# KiCad board NoU2-panelized2.kicad_pcb (continued)
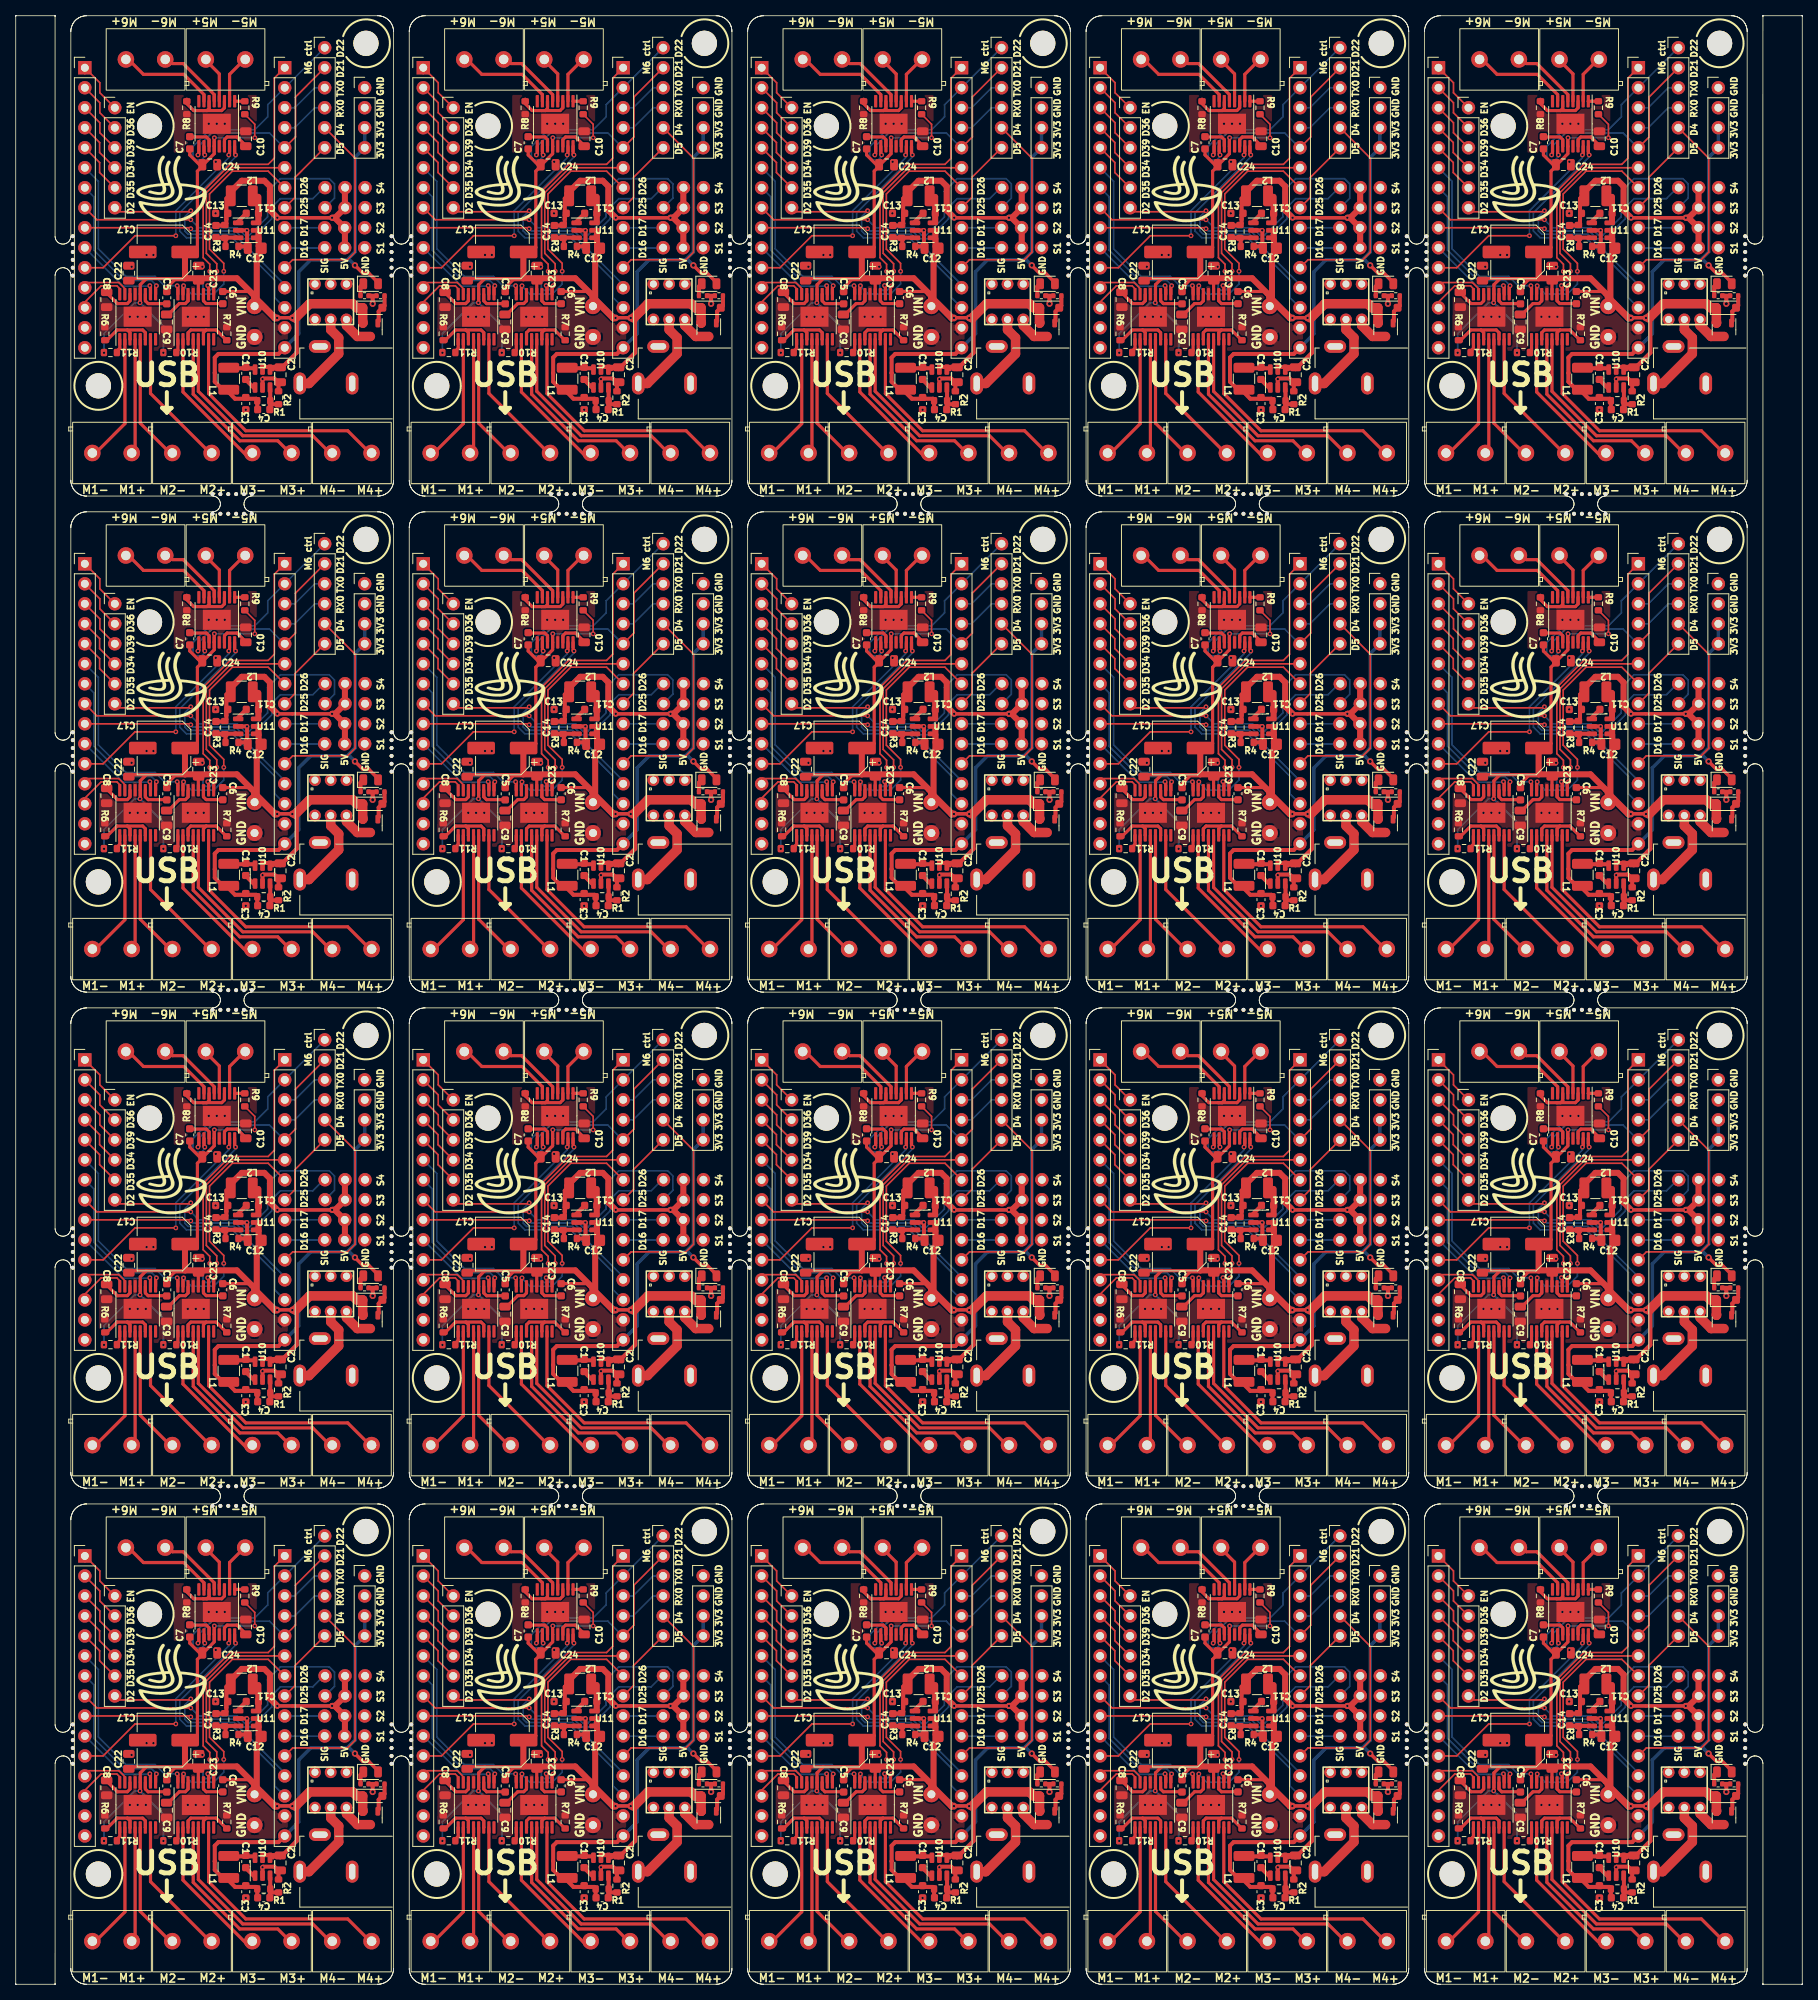
[diagram p0: board, top side]
## Nets (continued)
Board_10-Net-(Q1-D): Q1#7.3 U4#12.6
Board_10-Net-(U1-AISEN): R6#15.2 U1#18.3 U1#18.6
Board_10-Net-(U1-nSLEEP): R11#4.1 U1#18.1
Board_10-Net-(U1-VCP): C5#12.2 U1#18.11
Board_10-Net-(U1-VINT): C8#16.1 U1#18.14
Board_10-Net-(U2-AISEN): R8#14.2 U2#14.3 U2#14.6
Board_10-Net-(U2-nSLEEP): R9#10.1 U2#14.1
Board_10-Net-(U2-VCP): C7#3.2 U2#14.11
Board_10-Net-(U2-VINT): C10#20.1 U2#14.14
Board_10-Net-(U3-AISEN): R7#19.2 U3#6.3 U3#6.6
Board_10-Net-(U3-nSLEEP): R10#8.1 U3#6.1
Board_10-Net-(U3-VCP): C6#16.2 U3#6.11
Board_10-Net-(U3-VINT): C9#9.1 U3#6.14
Board_10-Net-(U10-BS): C1#15.2 U10#15.1
Board_10-Net-(U10-FB): C4#5.1 R1#11.2 R2#20.1 U10#15.3
Board_10-Net-(U10-LX): C1#15.1 L1#6.1 U10#15.6
Board_10-Net-(U11-BS): C11#10.2 U11#4.1
Board_10-Net-(U11-FB): C14#11.1 R3#3.2 R4#17.1 U11#4.3
Board_10-Net-(U11-LX): C11#10.1 L2#6.1 U11#4.6
Board_10-RX0: J1.4 J5#20.4
Board_10-SRV1: J5#20.10 U18#20.4
Board_10-SRV2: J5#20.9 U18#20.3
Board_10-SRV3: J2#19.8 U17#11.4
Board_10-SRV4: J2#19.9 U17#11.3
Board_10-TX0: J1.3 J5#20.3
Board_10-unconnected-(U1-nFAULT-Pad8): U1#18.8
Board_10-unconnected-(U2-nFAULT-Pad8): U2#14.8
Board_10-unconnected-(U3-nFAULT-Pad8): U3#6.8
Board_10-unconnected-(U4-Pad1): U4#12.1
Board_10-unconnected-(U4-Pad2): U4#12.2
Board_10-unconnected-(U4-Pad3): U4#12.3
Board_10-unconnected-(U4-Pad4): U4#12.4
Board_10-VIN: C2#20.2 C5#12.1 C6#16.1 C7#3.1 C12#10.2 C17.1 C22#2.1 C23#5.1 C24#16.1 D3#13.1 J14#15.1 Q1#7.2 R9#10.2 R10#8.2 R11#4.2 U1#18.12 U2#14.12 U3#6.12 U10#15.4 U10#15.5 U11#4.4 U11#4.5
Board_11-3V3: C3#19.2 C4#14.2 D1#16.2 J3#12.3 J3#12.4 J5#4.15 L1#8.2 R1#13.1
Board_11-5V: C13#8.2 C14#8.2 L2#10.2 R3#11.1 U17#2.1 U18.1
Board_11-/Sheet6057E9B8/D34: J2#20.4 J4#19.4
Board_11-/Sheet6057E9B8/D35: J2#20.5 J4#19.5
Board_11-/Sheet6057E9B8/D36: J2#20.2 J4#19.2
Board_11-/Sheet6057E9B8/D39: J2#20.3 J4#19.3
Board_11-/Sheet6057E9B8/EN: J2#20.1 J4#19.1
Board_11-/Sheet6057E9B8/EVIN: J2#20.15
Board_11-D2: J4#19.6 J5#4.12
Board_11-D4: J1#13.5 J5#4.11
Board_11-D5: J1#13.6 J5#4.8
Board_11-GND: C2#4.1 C3#19.1 C8#17.2 C9#10.2 C10#6.2 C12#16.1 C13#8.1 C17#11.2 C22#17.2 C23#3.2 C24#19.2 J2#20.14 J3#12.1 J3#12.2 J5#4.14 J10#2.2 J13#5.1 R2#6.2 R4#18.2 R5#13.2 R6#8.1 R7#20.1 R8#11.1 R14#5.2 U1#17.13 U1#17.17 U2#5.13 U2#5.17 U3#7.13 U3#7.17 U10#12.2 U11#18.2 U17#2.2 U18.2
Board_11-M1A: J2#20.13 U1#17.16
Board_11-M1B: J2#20.12 U1#17.15
Board_11-M2A: J2#20.10 U1#17.10
Board_11-M2B: J2#20.7 U1#17.9
Board_11-M3A: J2#20.6 U3#7.16
Board_11-M3B: J5#4.7 U3#7.15
Board_11-M4A: J5#4.6 U3#7.10
Board_11-M4B: J5#4.1 U3#7.9
Board_11-M5A: J5#4.13 U2#5.16
Board_11-M5B: J2#20.11 U2#5.15
Board_11-M6A: J1#13.1 J5#4.2 U2#5.10
Board_11-M6B: J1#13.2 J5#4.5 U2#5.9
Board_11-Net-(D1-K): D1#16.1 R14#5.1
Board_11-Net-(D3-A): D3#3.2 Q1.1 R5#13.1
Board_11-Net-(J10-Pad1): J10#2.1 U4#5.5
Board_11-Net-(J11-Pin_1): J11#17.1 U1#17.4
Board_11-Net-(J11-Pin_2): J11#17.2 U1#17.2
Board_11-Net-(J15-Pin_1): J15#12.1 U1#17.7
Board_11-Net-(J15-Pin_2): J15#12.2 U1#17.5
Board_11-Net-(J16-Pin_1): J16#5.1 U3#7.4
Board_11-Net-(J16-Pin_2): J16#5.2 U3#7.2
Board_11-Net-(J17-Pin_1): J17#14.1 U3#7.7
Board_11-Net-(J17-Pin_2): J17#14.2 U3#7.5
Board_11-Net-(J18-Pin_1): J18#2.1 U2#5.4
Board_11-Net-(J18-Pin_2): J18#2.2 U2#5.2
Board_11-Net-(J19-Pin_1): J19#3.1 U2#5.7
Board_11-Net-(J19-Pin_2): J19#3.2 U2#5.5
Board_11-Net-(Q1-D): Q1.3 U4#5.6
Board_11-Net-(U1-AISEN): R6#8.2 U1#17.3 U1#17.6
Board_11-Net-(U1-nSLEEP): R11#9.1 U1#17.1
Board_11-Net-(U1-VCP): C5#2.2 U1#17.11
Board_11-Net-(U1-VINT): C8#17.1 U1#17.14
Board_11-Net-(U2-AISEN): R8#11.2 U2#5.3 U2#5.6
Board_11-Net-(U2-nSLEEP): R9#18.1 U2#5.1
Board_11-Net-(U2-VCP): C7#5.2 U2#5.11
Board_11-Net-(U2-VINT): C10#6.1 U2#5.14
Board_11-Net-(U3-AISEN): R7#20.2 U3#7.3 U3#7.6
Board_11-Net-(U3-nSLEEP): R10#19.1 U3#7.1
Board_11-Net-(U3-VCP): C6#14.2 U3#7.11
Board_11-Net-(U3-VINT): C9#10.1 U3#7.14
Board_11-Net-(U10-BS): C1#12.2 U10#12.1
Board_11-Net-(U10-FB): C4#14.1 R1#13.2 R2#6.1 U10#12.3
Board_11-Net-(U10-LX): C1#12.1 L1#8.1 U10#12.6
Board_11-Net-(U11-BS): C11#19.2 U11#18.1
Board_11-Net-(U11-FB): C14#8.1 R3#11.2 R4#18.1 U11#18.3
Board_11-Net-(U11-LX): C11#19.1 L2#10.1 U11#18.6
Board_11-RX0: J1#13.4 J5#4.4
Board_11-SRV1: J5#4.10 U18.4
Board_11-SRV2: J5#4.9 U18.3
Board_11-SRV3: J2#20.8 U17#2.4
Board_11-SRV4: J2#20.9 U17#2.3
Board_11-TX0: J1#13.3 J5#4.3
Board_11-unconnected-(U1-nFAULT-Pad8): U1#17.8
Board_11-unconnected-(U2-nFAULT-Pad8): U2#5.8
Board_11-unconnected-(U3-nFAULT-Pad8): U3#7.8
Board_11-unconnected-(U4-Pad1): U4#5.1
Board_11-unconnected-(U4-Pad2): U4#5.2
Board_11-unconnected-(U4-Pad3): U4#5.3
Board_11-unconnected-(U4-Pad4): U4#5.4
Board_11-VIN: C2#4.2 C5#2.1 C6#14.1 C7#5.1 C12#16.2 C17#11.1 C22#17.1 C23#3.1 C24#19.1 D3#3.1 J14#19.1 Q1.2 R9#18.2 R10#19.2 R11#9.2 U1#17.12 U2#5.12 U3#7.12 U10#12.4 U10#12.5 U11#18.4 U11#18.5
Board_12-3V3: C3.2 C4#2.2 D1#12.2 J3#10.3 J3#10.4 J5#8.15 L1#13.2 R1#12.1
Board_12-5V: C13#12.2 C14#13.2 L2#18.2 R3#10.1 U17#3.1 U18#6.1
Board_12-/Sheet6057E9B8/D34: J2#11.4 J4#11.4
Board_12-/Sheet6057E9B8/D35: J2#11.5 J4#11.5
Board_12-/Sheet6057E9B8/D36: J2#11.2 J4#11.2
Board_12-/Sheet6057E9B8/D39: J2#11.3 J4#11.3
Board_12-/Sheet6057E9B8/EN: J2#11.1 J4#11.1
Board_12-/Sheet6057E9B8/EVIN: J2#11.15
Board_12-D2: J4#11.6 J5#8.12
Board_12-D4: J1#3.5 J5#8.11
Board_12-D5: J1#3.6 J5#8.8
Board_12-GND: C2#2.1 C3.1 C8#8.2 C9#11.2 C10#2.2 C12#17.1 C13#12.1 C17#16.2 C22#19.2 C23#20.2 C24#17.2 J2#11.14 J3#10.1 J3#10.2 J5#8.14 J10.2 J13#4.1 R2#13.2 R4#3.2 R5#16.2 R6#6.1 R7#13.1 R8#18.1 R14#14.2 U1#11.13 U1#11.17 U2#15.13 U2#15.17 U3#4.13 U3#4.17 U10#2.2 U11#8.2 U17#3.2 U18#6.2
Board_12-M1A: J2#11.13 U1#11.16
Board_12-M1B: J2#11.12 U1#11.15
Board_12-M2A: J2#11.10 U1#11.10
Board_12-M2B: J2#11.7 U1#11.9
Board_12-M3A: J2#11.6 U3#4.16
Board_12-M3B: J5#8.7 U3#4.15
Board_12-M4A: J5#8.6 U3#4.10
Board_12-M4B: J5#8.1 U3#4.9
Board_12-M5A: J5#8.13 U2#15.16
Board_12-M5B: J2#11.11 U2#15.15
Board_12-M6A: J1#3.1 J5#8.2 U2#15.10
Board_12-M6B: J1#3.2 J5#8.5 U2#15.9
Board_12-Net-(D1-K): D1#12.1 R14#14.1
Board_12-Net-(D3-A): D3#5.2 Q1#16.1 R5#16.1
Board_12-Net-(J10-Pad1): J10.1 U4#7.5
Board_12-Net-(J11-Pin_1): J11#9.1 U1#11.4
Board_12-Net-(J11-Pin_2): J11#9.2 U1#11.2
Board_12-Net-(J15-Pin_1): J15#16.1 U1#11.7
Board_12-Net-(J15-Pin_2): J15#16.2 U1#11.5
Board_12-Net-(J16-Pin_1): J16#16.1 U3#4.4
Board_12-Net-(J16-Pin_2): J16#16.2 U3#4.2
Board_12-Net-(J17-Pin_1): J17#15.1 U3#4.7
Board_12-Net-(J17-Pin_2): J17#15.2 U3#4.5
Board_12-Net-(J18-Pin_1): J18#9.1 U2#15.4
Board_12-Net-(J18-Pin_2): J18#9.2 U2#15.2
Board_12-Net-(J19-Pin_1): J19#7.1 U2#15.7
Board_12-Net-(J19-Pin_2): J19#7.2 U2#15.5
Board_12-Net-(Q1-D): Q1#16.3 U4#7.6
Board_12-Net-(U1-AISEN): R6#6.2 U1#11.3 U1#11.6
Board_12-Net-(U1-nSLEEP): R11#11.1 U1#11.1
Board_12-Net-(U1-VCP): C5#7.2 U1#11.11
Board_12-Net-(U1-VINT): C8#8.1 U1#11.14
Board_12-Net-(U2-AISEN): R8#18.2 U2#15.3 U2#15.6
Board_12-Net-(U2-nSLEEP): R9#2.1 U2#15.1
Board_12-Net-(U2-VCP): C7#2.2 U2#15.11
Board_12-Net-(U2-VINT): C10#2.1 U2#15.14
Board_12-Net-(U3-AISEN): R7#13.2 U3#4.3 U3#4.6
Board_12-Net-(U3-nSLEEP): R10#20.1 U3#4.1
Board_12-Net-(U3-VCP): C6#11.2 U3#4.11
Board_12-Net-(U3-VINT): C9#11.1 U3#4.14
Board_12-Net-(U10-BS): C1#14.2 U10#2.1
Board_12-Net-(U10-FB): C4#2.1 R1#12.2 R2#13.1 U10#2.3
Board_12-Net-(U10-LX): C1#14.1 L1#13.1 U10#2.6
Board_12-Net-(U11-BS): C11#3.2 U11#8.1
Board_12-Net-(U11-FB): C14#13.1 R3#10.2 R4#3.1 U11#8.3
Board_12-Net-(U11-LX): C11#3.1 L2#18.1 U11#8.6
Board_12-RX0: J1#3.4 J5#8.4
Board_12-SRV1: J5#8.10 U18#6.4
Board_12-SRV2: J5#8.9 U18#6.3
Board_12-SRV3: J2#11.8 U17#3.4
Board_12-SRV4: J2#11.9 U17#3.3
Board_12-TX0: J1#3.3 J5#8.3
Board_12-unconnected-(U1-nFAULT-Pad8): U1#11.8
Board_12-unconnected-(U2-nFAULT-Pad8): U2#15.8
Board_12-unconnected-(U3-nFAULT-Pad8): U3#4.8
Board_12-unconnected-(U4-Pad1): U4#7.1
Board_12-unconnected-(U4-Pad2): U4#7.2
Board_12-unconnected-(U4-Pad3): U4#7.3
Board_12-unconnected-(U4-Pad4): U4#7.4
Board_12-VIN: C2#2.2 C5#7.1 C6#11.1 C7#2.1 C12#17.2 C17#16.1 C22#19.1 C23#20.1 C24#17.1 D3#5.1 J14#2.1 Q1#16.2 R9#2.2 R10#20.2 R11#11.2 U1#11.12 U2#15.12 U3#4.12 U10#2.4 U10#2.5 U11#8.4 U11#8.5
Board_13-3V3: C3#5.2 C4#9.2 D1#13.2 J3#6.3 J3#6.4 J5#17.15 L1#15.2 R1#10.1
Board_13-5V: C13#17.2 C14#15.2 L2#20.2 R3#12.1 U17#10.1 U18#19.1
Board_13-/Sheet6057E9B8/D34: J2#12.4 J4#3.4
Board_13-/Sheet6057E9B8/D35: J2#12.5 J4#3.5
Board_13-/Sheet6057E9B8/D36: J2#12.2 J4#3.2
Board_13-/Sheet6057E9B8/D39: J2#12.3 J4#3.3
Board_13-/Sheet6057E9B8/EN: J2#12.1 J4#3.1
Board_13-/Sheet6057E9B8/EVIN: J2#12.15
Board_13-D2: J4#3.6 J5#17.12
Board_13-D4: J1#16.5 J5#17.11
Board_13-D5: J1#16.6 J5#17.8
Board_13-GND: C2#13.1 C3#5.1 C8#19.2 C9#16.2 C10#13.2 C12#3.1 C13#17.1 C17#3.2 C22#20.2 C23#15.2 C24#15.2 J2#12.14 J3#6.1 J3#6.2 J5#17.14 J10#6.2 J13#14.1 R2#3.2 R4#19.2 R5#20.2 R6#17.1 R7#8.1 R8#10.1 R14#15.2 U1#6.13 U1#6.17 U2#20.13 U2#20.17 U3#8.13 U3#8.17 U10#19.2 U11#20.2 U17#10.2 U18#19.2
Board_13-M1A: J2#12.13 U1#6.16
Board_13-M1B: J2#12.12 U1#6.15
Board_13-M2A: J2#12.10 U1#6.10
Board_13-M2B: J2#12.7 U1#6.9
Board_13-M3A: J2#12.6 U3#8.16
Board_13-M3B: J5#17.7 U3#8.15
Board_13-M4A: J5#17.6 U3#8.10
Board_13-M4B: J5#17.1 U3#8.9
Board_13-M5A: J5#17.13 U2#20.16
Board_13-M5B: J2#12.11 U2#20.15
Board_13-M6A: J1#16.1 J5#17.2 U2#20.10
Board_13-M6B: J1#16.2 J5#17.5 U2#20.9
Board_13-Net-(D1-K): D1#13.1 R14#15.1
Board_13-Net-(D3-A): D3#9.2 Q1#19.1 R5#20.1
Board_13-Net-(J10-Pad1): J10#6.1 U4.5
Board_13-Net-(J11-Pin_1): J11#15.1 U1#6.4
Board_13-Net-(J11-Pin_2): J11#15.2 U1#6.2
Board_13-Net-(J15-Pin_1): J15#6.1 U1#6.7
Board_13-Net-(J15-Pin_2): J15#6.2 U1#6.5
Board_13-Net-(J16-Pin_1): J16#4.1 U3#8.4
Board_13-Net-(J16-Pin_2): J16#4.2 U3#8.2
Board_13-Net-(J17-Pin_1): J17#17.1 U3#8.7
Board_13-Net-(J17-Pin_2): J17#17.2 U3#8.5
Board_13-Net-(J18-Pin_1): J18#7.1 U2#20.4
Board_13-Net-(J18-Pin_2): J18#7.2 U2#20.2
Board_13-Net-(J19-Pin_1): J19#4.1 U2#20.7
Board_13-Net-(J19-Pin_2): J19#4.2 U2#20.5
Board_13-Net-(Q1-D): Q1#19.3 U4.6
Board_13-Net-(U1-AISEN): R6#17.2 U1#6.3 U1#6.6
Board_13-Net-(U1-nSLEEP): R11#12.1 U1#6.1
Board_13-Net-(U1-VCP): C5#15.2 U1#6.11
Board_13-Net-(U1-VINT): C8#19.1 U1#6.14
Board_13-Net-(U2-AISEN): R8#10.2 U2#20.3 U2#20.6
Board_13-Net-(U2-nSLEEP): R9#15.1 U2#20.1
Board_13-Net-(U2-VCP): C7#20.2 U2#20.11
Board_13-Net-(U2-VINT): C10#13.1 U2#20.14
Board_13-Net-(U3-AISEN): R7#8.2 U3#8.3 U3#8.6
Board_13-Net-(U3-nSLEEP): R10#9.1 U3#8.1
Board_13-Net-(U3-VCP): C6#4.2 U3#8.11
Board_13-Net-(U3-VINT): C9#16.1 U3#8.14
Board_13-Net-(U10-BS): C1#11.2 U10#19.1
Board_13-Net-(U10-FB): C4#9.1 R1#10.2 R2#3.1 U10#19.3
Board_13-Net-(U10-LX): C1#11.1 L1#15.1 U10#19.6
Board_13-Net-(U11-BS): C11.2 U11#20.1
Board_13-Net-(U11-FB): C14#15.1 R3#12.2 R4#19.1 U11#20.3
Board_13-Net-(U11-LX): C11.1 L2#20.1 U11#20.6
Board_13-RX0: J1#16.4 J5#17.4
Board_13-SRV1: J5#17.10 U18#19.4
Board_13-SRV2: J5#17.9 U18#19.3
Board_13-SRV3: J2#12.8 U17#10.4
Board_13-SRV4: J2#12.9 U17#10.3
Board_13-TX0: J1#16.3 J5#17.3
Board_13-unconnected-(U1-nFAULT-Pad8): U1#6.8
Board_13-unconnected-(U2-nFAULT-Pad8): U2#20.8
Board_13-unconnected-(U3-nFAULT-Pad8): U3#8.8
Board_13-unconnected-(U4-Pad1): U4.1
Board_13-unconnected-(U4-Pad2): U4.2
Board_13-unconnected-(U4-Pad3): U4.3
Board_13-unconnected-(U4-Pad4): U4.4
Board_13-VIN: C2#13.2 C5#15.1 C6#4.1 C7#20.1 C12#3.2 C17#3.1 C22#20.1 C23#15.1 C24#15.1 D3#9.1 J14#14.1 Q1#19.2 R9#15.2 R10#9.2 R11#12.2 U1#6.12 U2#20.12 U3#8.12 U10#19.4 U10#19.5 U11#20.4 U11#20.5
Board_14-3V3: C3#12.2 C4#7.2 D1#15.2 J3#8.3 J3#8.4 J5#19.15 L1#14.2 R1#14.1
Board_14-5V: C13#9.2 C14#14.2 L2#19.2 R3#17.1 U17#18.1 U18#9.1
Board_14-/Sheet6057E9B8/D34: J2#4.4 J4#2.4
Board_14-/Sheet6057E9B8/D35: J2#4.5 J4#2.5
Board_14-/Sheet6057E9B8/D36: J2#4.2 J4#2.2
Board_14-/Sheet6057E9B8/D39: J2#4.3 J4#2.3
Board_14-/Sheet6057E9B8/EN: J2#4.1 J4#2.1
Board_14-/Sheet6057E9B8/EVIN: J2#4.15
Board_14-D2: J4#2.6 J5#19.12
Board_14-D4: J1#17.5 J5#19.11
Board_14-D5: J1#17.6 J5#19.8
Board_14-GND: C2#15.1 C3#12.1 C8#20.2 C9#17.2 C10#5.2 C12#19.1 C13#9.1 C17#6.2 C22#18.2 C23#17.2 C24#20.2 J2#4.14 J3#8.1 J3#8.2 J5#19.14 J10#14.2 J13#15.1 R2#8.2 R4#15.2 R5#5.2 R6#7.1 R7#7.1 R8#19.1 R14#12.2 U1#16.13 U1#16.17 U2#7.13 U2#7.17 U3#16.13 U3#16.17 U10#11.2 U11#19.2 U17#18.2 U18#9.2
Board_14-M1A: J2#4.13 U1#16.16
Board_14-M1B: J2#4.12 U1#16.15
Board_14-M2A: J2#4.10 U1#16.10
Board_14-M2B: J2#4.7 U1#16.9
Board_14-M3A: J2#4.6 U3#16.16
Board_14-M3B: J5#19.7 U3#16.15
Board_14-M4A: J5#19.6 U3#16.10
Board_14-M4B: J5#19.1 U3#16.9
Board_14-M5A: J5#19.13 U2#7.16
Board_14-M5B: J2#4.11 U2#7.15
Board_14-M6A: J1#17.1 J5#19.2 U2#7.10
Board_14-M6B: J1#17.2 J5#19.5 U2#7.9
Board_14-Net-(D1-K): D1#15.1 R14#12.1
Board_14-Net-(D3-A): D3#15.2 Q1#11.1 R5#5.1
Board_14-Net-(J10-Pad1): J10#14.1 U4#16.5
Board_14-Net-(J11-Pin_1): J11#20.1 U1#16.4
Board_14-Net-(J11-Pin_2): J11#20.2 U1#16.2
Board_14-Net-(J15-Pin_1): J15#17.1 U1#16.7
Board_14-Net-(J15-Pin_2): J15#17.2 U1#16.5
Board_14-Net-(J16-Pin_1): J16#18.1 U3#16.4
Board_14-Net-(J16-Pin_2): J16#18.2 U3#16.2
Board_14-Net-(J17-Pin_1): J17#12.1 U3#16.7
Board_14-Net-(J17-Pin_2): J17#12.2 U3#16.5
Board_14-Net-(J18-Pin_1): J18.1 U2#7.4
Board_14-Net-(J18-Pin_2): J18.2 U2#7.2
Board_14-Net-(J19-Pin_1): J19#9.1 U2#7.7
Board_14-Net-(J19-Pin_2): J19#9.2 U2#7.5
Board_14-Net-(Q1-D): Q1#11.3 U4#16.6
Board_14-Net-(U1-AISEN): R6#7.2 U1#16.3 U1#16.6
Board_14-Net-(U1-nSLEEP): R11#13.1 U1#16.1
Board_14-Net-(U1-VCP): C5#10.2 U1#16.11
Board_14-Net-(U1-VINT): C8#20.1 U1#16.14
Board_14-Net-(U2-AISEN): R8#19.2 U2#7.3 U2#7.6
Board_14-Net-(U2-nSLEEP): R9#17.1 U2#7.1
Board_14-Net-(U2-VCP): C7#15.2 U2#7.11
Board_14-Net-(U2-VINT): C10#5.1 U2#7.14
Board_14-Net-(U3-AISEN): R7#7.2 U3#16.3 U3#16.6
Board_14-Net-(U3-nSLEEP): R10#5.1 U3#16.1
Board_14-Net-(U3-VCP): C6#19.2 U3#16.11
Board_14-Net-(U3-VINT): C9#17.1 U3#16.14
Board_14-Net-(U10-BS): C1#7.2 U10#11.1
Board_14-Net-(U10-FB): C4#7.1 R1#14.2 R2#8.1 U10#11.3
Board_14-Net-(U10-LX): C1#7.1 L1#14.1 U10#11.6
Board_14-Net-(U11-BS): C11#12.2 U11#19.1
Board_14-Net-(U11-FB): C14#14.1 R3#17.2 R4#15.1 U11#19.3
Board_14-Net-(U11-LX): C11#12.1 L2#19.1 U11#19.6
Board_14-RX0: J1#17.4 J5#19.4
Board_14-SRV1: J5#19.10 U18#9.4
Board_14-SRV2: J5#19.9 U18#9.3
Board_14-SRV3: J2#4.8 U17#18.4
Board_14-SRV4: J2#4.9 U17#18.3
Board_14-TX0: J1#17.3 J5#19.3
Board_14-unconnected-(U1-nFAULT-Pad8): U1#16.8
Board_14-unconnected-(U2-nFAULT-Pad8): U2#7.8
Board_14-unconnected-(U3-nFAULT-Pad8): U3#16.8
Board_14-unconnected-(U4-Pad1): U4#16.1
Board_14-unconnected-(U4-Pad2): U4#16.2
Board_14-unconnected-(U4-Pad3): U4#16.3
Board_14-unconnected-(U4-Pad4): U4#16.4
Board_14-VIN: C2#15.2 C5#10.1 C6#19.1 C7#15.1 C12#19.2 C17#6.1 C22#18.1 C23#17.1 C24#20.1 D3#15.1 J14#13.1 Q1#11.2 R9#17.2 R10#5.2 R11#13.2 U1#16.12 U2#7.12 U3#16.12 U10#11.4 U10#11.5 U11#19.4 U11#19.5
Board_15-3V3: C3#9.2 C4#6.2 D1#17.2 J3#17.3 J3#17.4 J5#13.15 L1#2.2 R1#6.1
Board_15-5V: C13#3.2 C14#12.2 L2#16.2 R3#13.1 U17#12.1 U18#11.1
Board_15-/Sheet6057E9B8/D34: J2#8.4 J4#14.4
Board_15-/Sheet6057E9B8/D35: J2#8.5 J4#14.5
Board_15-/Sheet6057E9B8/D36: J2#8.2 J4#14.2
Board_15-/Sheet6057E9B8/D39: J2#8.3 J4#14.3
Board_15-/Sheet6057E9B8/EN: J2#8.1 J4#14.1
Board_15-/Sheet6057E9B8/EVIN: J2#8.15
Board_15-D2: J4#14.6 J5#13.12
Board_15-D4: J1#18.5 J5#13.11
Board_15-D5: J1#18.6 J5#13.8
Board_15-GND: C2#3.1 C3#9.1 C8#5.2 C9.2 C10#14.2 C12#7.1 C13#3.1 C17#18.2 C22#5.2 C23#8.2 C24#13.2 J2#8.14 J3#17.1 J3#17.2 J5#13.14 J10#20.2 J13#19.1 R2#14.2 R4#8.2 R5#10.2 R6#5.1 R7#16.1 R8#6.1 R14#3.2 U1#13.13 U1#13.17 U2#6.13 U2#6.17 U3#18.13 U3#18.17 U10#4.2 U11#5.2 U17#12.2 U18#11.2
Board_15-M1A: J2#8.13 U1#13.16
Board_15-M1B: J2#8.12 U1#13.15
Board_15-M2A: J2#8.10 U1#13.10
Board_15-M2B: J2#8.7 U1#13.9
Board_15-M3A: J2#8.6 U3#18.16
Board_15-M3B: J5#13.7 U3#18.15
Board_15-M4A: J5#13.6 U3#18.10
Board_15-M4B: J5#13.1 U3#18.9
Board_15-M5A: J5#13.13 U2#6.16
Board_15-M5B: J2#8.11 U2#6.15
Board_15-M6A: J1#18.1 J5#13.2 U2#6.10
Board_15-M6B: J1#18.2 J5#13.5 U2#6.9
Board_15-Net-(D1-K): D1#17.1 R14#3.1
Board_15-Net-(D3-A): D3#12.2 Q1#20.1 R5#10.1
Board_15-Net-(J10-Pad1): J10#20.1 U4#20.5
Board_15-Net-(J11-Pin_1): J11#19.1 U1#13.4
Board_15-Net-(J11-Pin_2): J11#19.2 U1#13.2
Board_15-Net-(J15-Pin_1): J15#18.1 U1#13.7
Board_15-Net-(J15-Pin_2): J15#18.2 U1#13.5
Board_15-Net-(J16-Pin_1): J16#17.1 U3#18.4
Board_15-Net-(J16-Pin_2): J16#17.2 U3#18.2
Board_15-Net-(J17-Pin_1): J17#2.1 U3#18.7
Board_15-Net-(J17-Pin_2): J17#2.2 U3#18.5
Board_15-Net-(J18-Pin_1): J18#4.1 U2#6.4
Board_15-Net-(J18-Pin_2): J18#4.2 U2#6.2
Board_15-Net-(J19-Pin_1): J19.1 U2#6.7
Board_15-Net-(J19-Pin_2): J19.2 U2#6.5
Board_15-Net-(Q1-D): Q1#20.3 U4#20.6
Board_15-Net-(U1-AISEN): R6#5.2 U1#13.3 U1#13.6
Board_15-Net-(U1-nSLEEP): R11#3.1 U1#13.1
Board_15-Net-(U1-VCP): C5#3.2 U1#13.11
Board_15-Net-(U1-VINT): C8#5.1 U1#13.14
Board_15-Net-(U2-AISEN): R8#6.2 U2#6.3 U2#6.6
Board_15-Net-(U2-nSLEEP): R9#19.1 U2#6.1
Board_15-Net-(U2-VCP): C7#13.2 U2#6.11
Board_15-Net-(U2-VINT): C10#14.1 U2#6.14
Board_15-Net-(U3-AISEN): R7#16.2 U3#18.3 U3#18.6
Board_15-Net-(U3-nSLEEP): R10#10.1 U3#18.1
Board_15-Net-(U3-VCP): C6#3.2 U3#18.11
Board_15-Net-(U3-VINT): C9.1 U3#18.14
Board_15-Net-(U10-BS): C1#2.2 U10#4.1
Board_15-Net-(U10-FB): C4#6.1 R1#6.2 R2#14.1 U10#4.3
Board_15-Net-(U10-LX): C1#2.1 L1#2.1 U10#4.6
Board_15-Net-(U11-BS): C11#6.2 U11#5.1
Board_15-Net-(U11-FB): C14#12.1 R3#13.2 R4#8.1 U11#5.3
Board_15-Net-(U11-LX): C11#6.1 L2#16.1 U11#5.6
Board_15-RX0: J1#18.4 J5#13.4
Board_15-SRV1: J5#13.10 U18#11.4
Board_15-SRV2: J5#13.9 U18#11.3
Board_15-SRV3: J2#8.8 U17#12.4
Board_15-SRV4: J2#8.9 U17#12.3
Board_15-TX0: J1#18.3 J5#13.3
Board_15-unconnected-(U1-nFAULT-Pad8): U1#13.8
Board_15-unconnected-(U2-nFAULT-Pad8): U2#6.8
Board_15-unconnected-(U3-nFAULT-Pad8): U3#18.8
Board_15-unconnected-(U4-Pad1): U4#20.1
Board_15-unconnected-(U4-Pad2): U4#20.2
Board_15-unconnected-(U4-Pad3): U4#20.3
Board_15-unconnected-(U4-Pad4): U4#20.4
Board_15-VIN: C2#3.2 C5#3.1 C6#3.1 C7#13.1 C12#7.2 C17#18.1 C22#5.1 C23#8.1 C24#13.1 D3#12.1 J14#6.1 Q1#20.2 R9#19.2 R10#10.2 R11#3.2 U1#13.12 U2#6.12 U3#18.12 U10#4.4 U10#4.5 U11#5.4 U11#5.5
Board_16-3V3: C3#16.2 C4#15.2 D1#2.2 J3#19.3 J3#19.4 J5#18.15 L1#12.2 R1#15.1
Board_16-5V: C13#14.2 C14#20.2 L2#9.2 R3#4.1 U17#16.1 U18#15.1
Board_16-/Sheet6057E9B8/D34: J2#17.4 J4#15.4
Board_16-/Sheet6057E9B8/D35: J2#17.5 J4#15.5
Board_16-/Sheet6057E9B8/D36: J2#17.2 J4#15.2
Board_16-/Sheet6057E9B8/D39: J2#17.3 J4#15.3
Board_16-/Sheet6057E9B8/EN: J2#17.1 J4#15.1
Board_16-/Sheet6057E9B8/EVIN: J2#17.15
Board_16-D2: J4#15.6 J5#18.12
Board_16-D4: J1#10.5 J5#18.11
Board_16-D5: J1#10.6 J5#18.8
Board_16-GND: C2#5.1 C3#16.1 C8#14.2 C9#18.2 C10#10.2 C12#12.1 C13#14.1 C17#7.2 C22#7.2 C23#14.2 C24#9.2 J2#17.14 J3#19.1 J3#19.2 J5#18.14 J10#18.2 J13#18.1 R2#16.2 R4#5.2 R5#4.2 R6#13.1 R7#17.1 R8#4.1 R14#17.2 U1#9.13 U1#9.17 U2#13.13 U2#13.17 U3#20.13 U3#20.17 U10#14.2 U11#17.2 U17#16.2 U18#15.2
Board_16-M1A: J2#17.13 U1#9.16
Board_16-M1B: J2#17.12 U1#9.15
Board_16-M2A: J2#17.10 U1#9.10
Board_16-M2B: J2#17.7 U1#9.9
Board_16-M3A: J2#17.6 U3#20.16
Board_16-M3B: J5#18.7 U3#20.15
Board_16-M4A: J5#18.6 U3#20.10
Board_16-M4B: J5#18.1 U3#20.9
Board_16-M5A: J5#18.13 U2#13.16
Board_16-M5B: J2#17.11 U2#13.15
Board_16-M6A: J1#10.1 J5#18.2 U2#13.10
Board_16-M6B: J1#10.2 J5#18.5 U2#13.9
Board_16-Net-(D1-K): D1#2.1 R14#17.1
Board_16-Net-(D3-A): D3#18.2 Q1#12.1 R5#4.1
Board_16-Net-(J10-Pad1): J10#18.1 U4#8.5
Board_16-Net-(J11-Pin_1): J11#14.1 U1#9.4
Board_16-Net-(J11-Pin_2): J11#14.2 U1#9.2
Board_16-Net-(J15-Pin_1): J15#19.1 U1#9.7
Board_16-Net-(J15-Pin_2): J15#19.2 U1#9.5
Board_16-Net-(J16-Pin_1): J16#20.1 U3#20.4
Board_16-Net-(J16-Pin_2): J16#20.2 U3#20.2
Board_16-Net-(J17-Pin_1): J17#18.1 U3#20.7
Board_16-Net-(J17-Pin_2): J17#18.2 U3#20.5
Board_16-Net-(J18-Pin_1): J18#20.1 U2#13.4
Board_16-Net-(J18-Pin_2): J18#20.2 U2#13.2
Board_16-Net-(J19-Pin_1): J19#20.1 U2#13.7
Board_16-Net-(J19-Pin_2): J19#20.2 U2#13.5
Board_16-Net-(Q1-D): Q1#12.3 U4#8.6
Board_16-Net-(U1-AISEN): R6#13.2 U1#9.3 U1#9.6
Board_16-Net-(U1-nSLEEP): R11#5.1 U1#9.1
Board_16-Net-(U1-VCP): C5#14.2 U1#9.11
Board_16-Net-(U1-VINT): C8#14.1 U1#9.14
Board_16-Net-(U2-AISEN): R8#4.2 U2#13.3 U2#13.6
Board_16-Net-(U2-nSLEEP): R9#13.1 U2#13.1
Board_16-Net-(U2-VCP): C7#14.2 U2#13.11
Board_16-Net-(U2-VINT): C10#10.1 U2#13.14
Board_16-Net-(U3-AISEN): R7#17.2 U3#20.3 U3#20.6
Board_16-Net-(U3-nSLEEP): R10#4.1 U3#20.1
Board_16-Net-(U3-VCP): C6#7.2 U3#20.11
Board_16-Net-(U3-VINT): C9#18.1 U3#20.14
Board_16-Net-(U10-BS): C1#4.2 U10#14.1
Board_16-Net-(U10-FB): C4#15.1 R1#15.2 R2#16.1 U10#14.3
Board_16-Net-(U10-LX): C1#4.1 L1#12.1 U10#14.6
Board_16-Net-(U11-BS): C11#15.2 U11#17.1
Board_16-Net-(U11-FB): C14#20.1 R3#4.2 R4#5.1 U11#17.3
Board_16-Net-(U11-LX): C11#15.1 L2#9.1 U11#17.6
Board_16-RX0: J1#10.4 J5#18.4
Board_16-SRV1: J5#18.10 U18#15.4
Board_16-SRV2: J5#18.9 U18#15.3
Board_16-SRV3: J2#17.8 U17#16.4
Board_16-SRV4: J2#17.9 U17#16.3
Board_16-TX0: J1#10.3 J5#18.3
Board_16-unconnected-(U1-nFAULT-Pad8): U1#9.8
Board_16-unconnected-(U2-nFAULT-Pad8): U2#13.8
Board_16-unconnected-(U3-nFAULT-Pad8): U3#20.8
Board_16-unconnected-(U4-Pad1): U4#8.1
Board_16-unconnected-(U4-Pad2): U4#8.2
Board_16-unconnected-(U4-Pad3): U4#8.3
Board_16-unconnected-(U4-Pad4): U4#8.4
Board_16-VIN: C2#5.2 C5#14.1 C6#7.1 C7#14.1 C12#12.2 C17#7.1 C22#7.1 C23#14.1 C24#9.1 D3#18.1 J14#18.1 Q1#12.2 R9#13.2 R10#4.2 R11#5.2 U1#9.12 U2#13.12 U3#20.12 U10#14.4 U10#14.5 U11#17.4 U11#17.5
Board_17-3V3: C3#14.2 C4.2 D1#18.2 J3#20.3 J3#20.4 J5#7.15 L1#3.2 R1#7.1
Board_17-5V: C13#10.2 C14#7.2 L2#15.2 R3#16.1 U17#20.1 U18#18.1
Board_17-/Sheet6057E9B8/D34: J2.4 J4#4.4
Board_17-/Sheet6057E9B8/D35: J2.5 J4#4.5
Board_17-/Sheet6057E9B8/D36: J2.2 J4#4.2
Board_17-/Sheet6057E9B8/D39: J2.3 J4#4.3
Board_17-/Sheet6057E9B8/EN: J2.1 J4#4.1
Board_17-/Sheet6057E9B8/EVIN: J2.15
Board_17-D2: J4#4.6 J5#7.12
Board_17-D4: J1#20.5 J5#7.11
Board_17-D5: J1#20.6 J5#7.8
Board_17-GND: C2#11.1 C3#14.1 C8#11.2 C9#7.2 C10#9.2 C12#20.1 C13#10.1 C17#9.2 C22#12.2 C23#16.2 C24#6.2 J2.14 J3#20.1 J3#20.2 J5#7.14 J10#17.2 J13#12.1 R2#5.2 R4#20.2 R5#9.2 R6.1 R7#14.1 R8#8.1 R14#13.2 U1#15.13 U1#15.17 U2#11.13 U2#11.17 U3.13 U3.17 U10#16.2 U11#6.2 U17#20.2 U18#18.2
Board_17-M1A: J2.13 U1#15.16
Board_17-M1B: J2.12 U1#15.15
Board_17-M2A: J2.10 U1#15.10
Board_17-M2B: J2.7 U1#15.9
Board_17-M3A: J2.6 U3.16
Board_17-M3B: J5#7.7 U3.15
Board_17-M4A: J5#7.6 U3.10
Board_17-M4B: J5#7.1 U3.9
Board_17-M5A: J5#7.13 U2#11.16
Board_17-M5B: J2.11 U2#11.15
Board_17-M6A: J1#20.1 J5#7.2 U2#11.10
Board_17-M6B: J1#20.2 J5#7.5 U2#11.9
Board_17-Net-(D1-K): D1#18.1 R14#13.1
Board_17-Net-(D3-A): D3#8.2 Q1#15.1 R5#9.1
Board_17-Net-(J10-Pad1): J10#17.1 U4#6.5
Board_17-Net-(J11-Pin_1): J11#16.1 U1#15.4
Board_17-Net-(J11-Pin_2): J11#16.2 U1#15.2
Board_17-Net-(J15-Pin_1): J15#8.1 U1#15.7
Board_17-Net-(J15-Pin_2): J15#8.2 U1#15.5
Board_17-Net-(J16-Pin_1): J16#13.1 U3.4
Board_17-Net-(J16-Pin_2): J16#13.2 U3.2
Board_17-Net-(J17-Pin_1): J17#7.1 U3.7
Board_17-Net-(J17-Pin_2): J17#7.2 U3.5
Board_17-Net-(J18-Pin_1): J18#3.1 U2#11.4
Board_17-Net-(J18-Pin_2): J18#3.2 U2#11.2
Board_17-Net-(J19-Pin_1): J19#8.1 U2#11.7
Board_17-Net-(J19-Pin_2): J19#8.2 U2#11.5
Board_17-Net-(Q1-D): Q1#15.3 U4#6.6
Board_17-Net-(U1-AISEN): R6.2 U1#15.3 U1#15.6
Board_17-Net-(U1-nSLEEP): R11#16.1 U1#15.1
Board_17-Net-(U1-VCP): C5#17.2 U1#15.11
Board_17-Net-(U1-VINT): C8#11.1 U1#15.14
Board_17-Net-(U2-AISEN): R8#8.2 U2#11.3 U2#11.6
Board_17-Net-(U2-nSLEEP): R9.1 U2#11.1
Board_17-Net-(U2-VCP): C7#18.2 U2#11.11
Board_17-Net-(U2-VINT): C10#9.1 U2#11.14
Board_17-Net-(U3-AISEN): R7#14.2 U3.3 U3.6
Board_17-Net-(U3-nSLEEP): R10#6.1 U3.1
Board_17-Net-(U3-VCP): C6#18.2 U3.11
Board_17-Net-(U3-VINT): C9#7.1 U3.14
Board_17-Net-(U10-BS): C1#8.2 U10#16.1
Board_17-Net-(U10-FB): C4.1 R1#7.2 R2#5.1 U10#16.3
Board_17-Net-(U10-LX): C1#8.1 L1#3.1 U10#16.6
Board_17-Net-(U11-BS): C11#14.2 U11#6.1
Board_17-Net-(U11-FB): C14#7.1 R3#16.2 R4#20.1 U11#6.3
Board_17-Net-(U11-LX): C11#14.1 L2#15.1 U11#6.6
Board_17-RX0: J1#20.4 J5#7.4
Board_17-SRV1: J5#7.10 U18#18.4
Board_17-SRV2: J5#7.9 U18#18.3
Board_17-SRV3: J2.8 U17#20.4
Board_17-SRV4: J2.9 U17#20.3
Board_17-TX0: J1#20.3 J5#7.3
Board_17-unconnected-(U1-nFAULT-Pad8): U1#15.8
Board_17-unconnected-(U2-nFAULT-Pad8): U2#11.8
Board_17-unconnected-(U3-nFAULT-Pad8): U3.8
Board_17-unconnected-(U4-Pad1): U4#6.1
Board_17-unconnected-(U4-Pad2): U4#6.2
Board_17-unconnected-(U4-Pad3): U4#6.3
Board_17-unconnected-(U4-Pad4): U4#6.4
Board_17-VIN: C2#11.2 C5#17.1 C6#18.1 C7#18.1 C12#20.2 C17#9.1 C22#12.1 C23#16.1 C24#6.1 D3#8.1 J14#17.1 Q1#15.2 R9.2 R10#6.2 R11#16.2 U1#15.12 U2#11.12 U3.12 U10#16.4 U10#16.5 U11#6.4 U11#6.5
Board_18-3V3: C3#3.2 C4#16.2 D1#11.2 J3#3.3 J3#3.4 J5#16.15 L1#17.2 R1#8.1
Board_18-5V: C13#18.2 C14#9.2 L2#14.2 R3#6.1 U17#15.1 U18#17.1
Board_18-/Sheet6057E9B8/D34: J2#5.4 J4#18.4
Board_18-/Sheet6057E9B8/D35: J2#5.5 J4#18.5
Board_18-/Sheet6057E9B8/D36: J2#5.2 J4#18.2
Board_18-/Sheet6057E9B8/D39: J2#5.3 J4#18.3
Board_18-/Sheet6057E9B8/EN: J2#5.1 J4#18.1
Board_18-/Sheet6057E9B8/EVIN: J2#5.15
Board_18-D2: J4#18.6 J5#16.12
Board_18-D4: J1#19.5 J5#16.11
Board_18-D5: J1#19.6 J5#16.8
